# Altium PCB ZhuKong.PcbDoc (part 3 of 6) (continued)
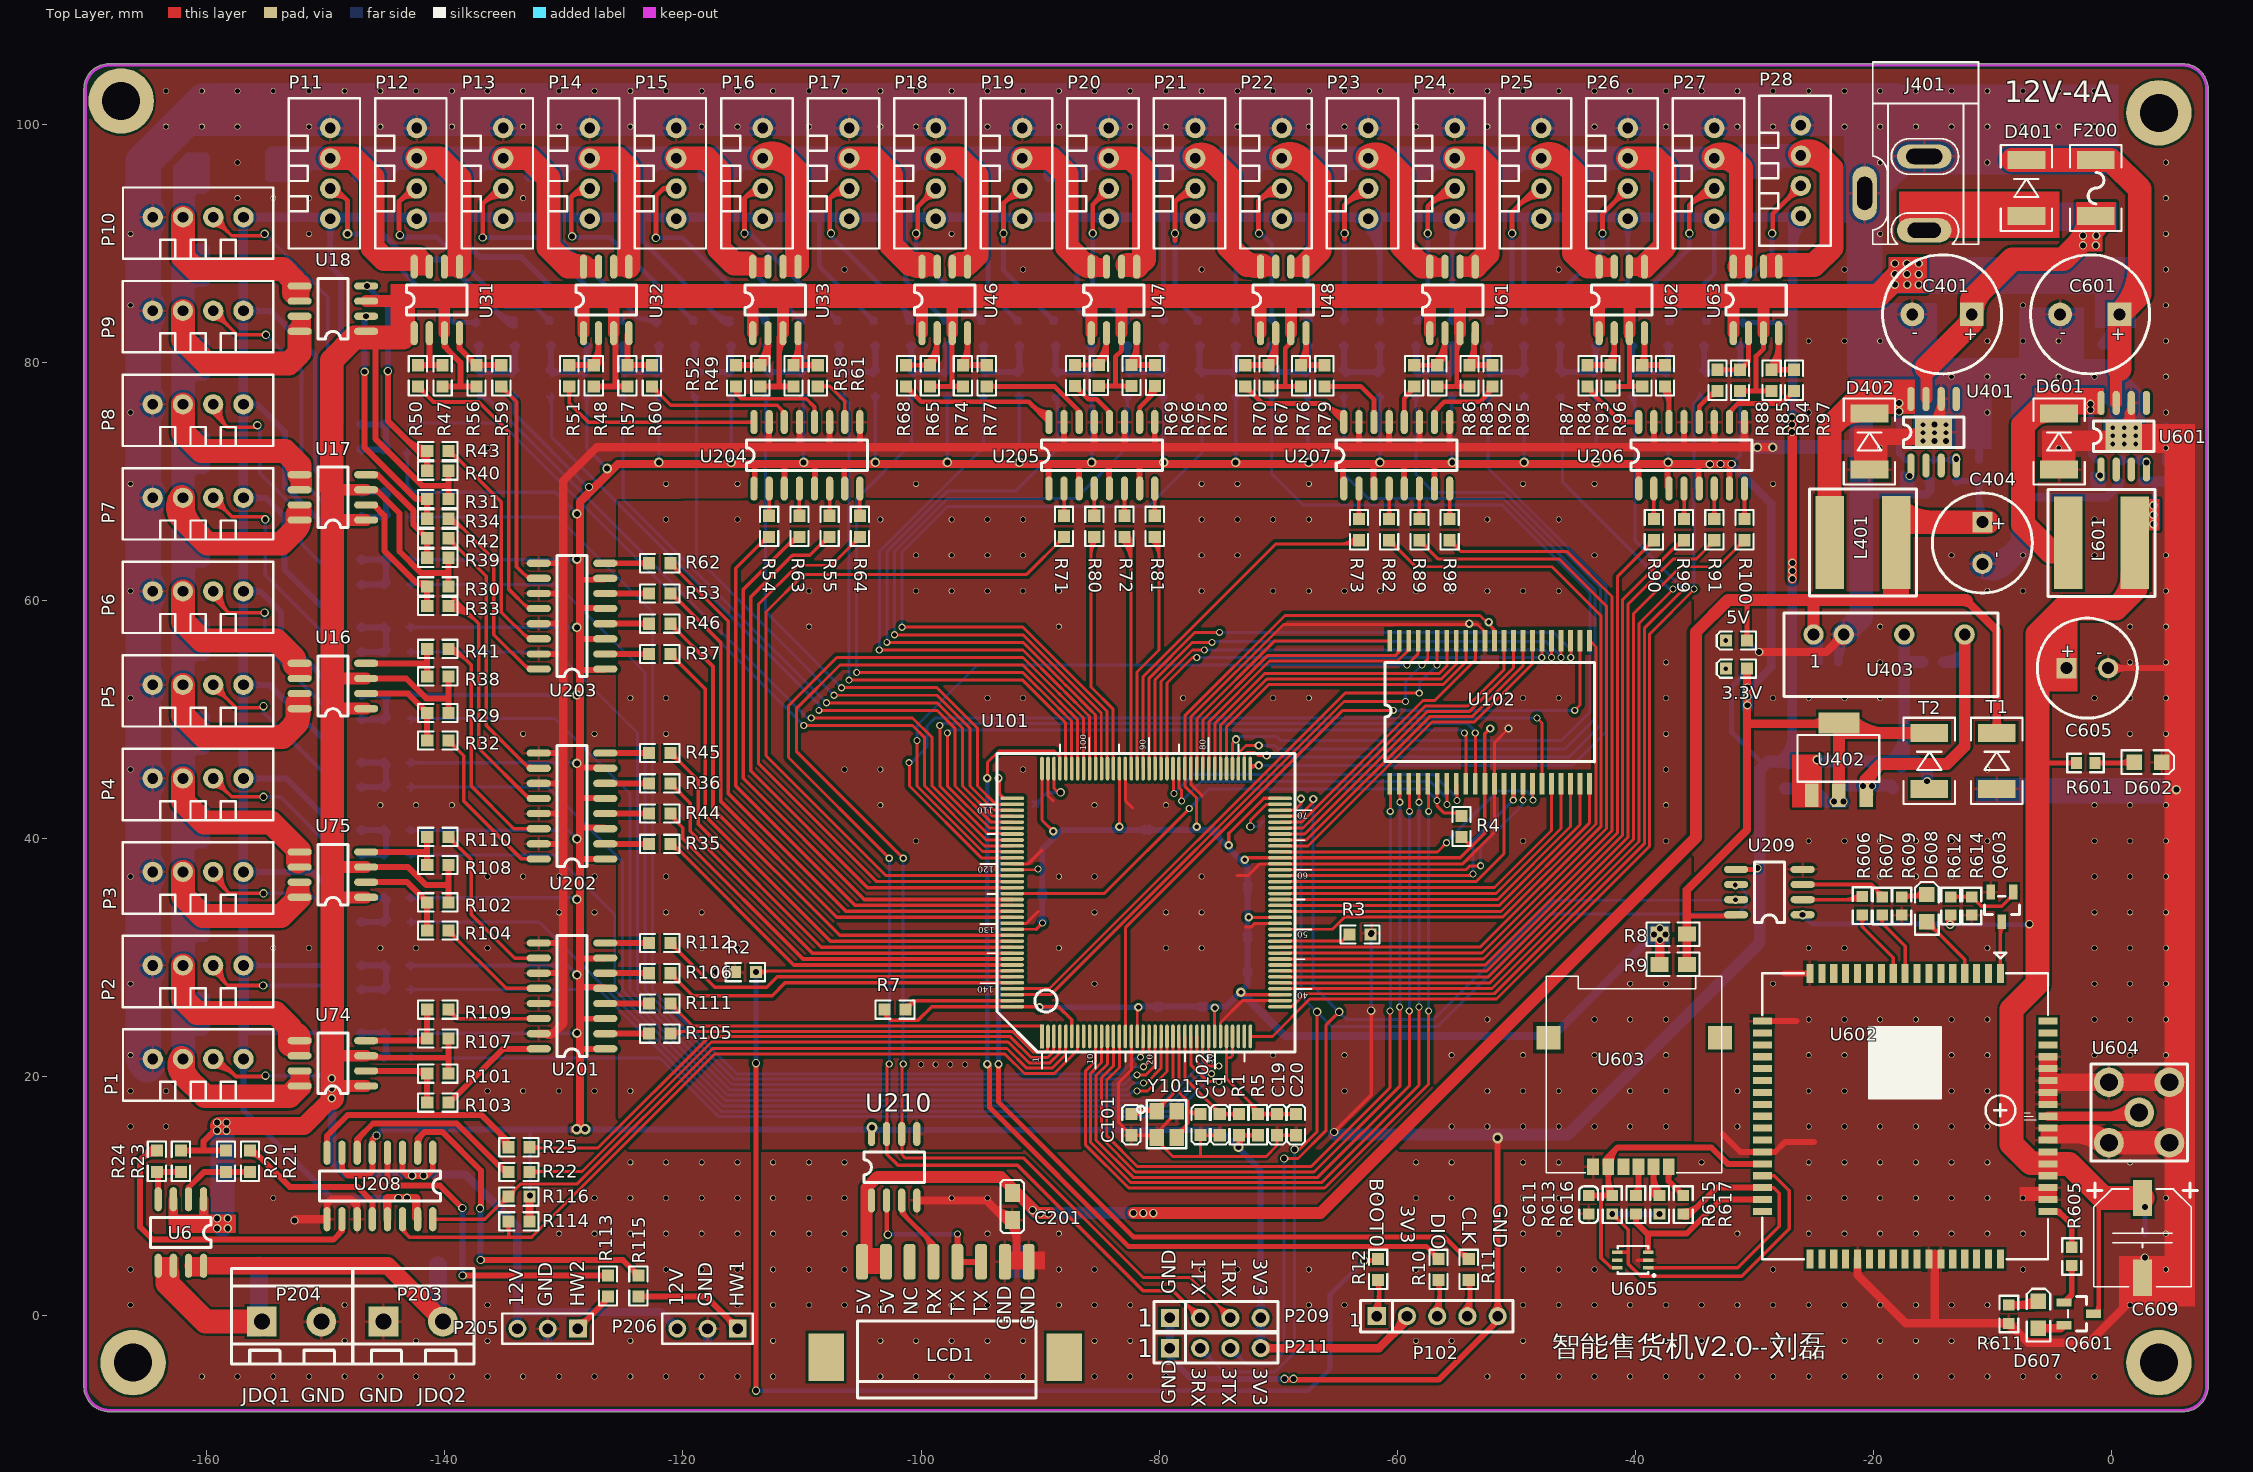
[diagram p0: Top Layer view]
## Nets (pads, with @x,y where several pads share a name; then routed paths per layer and width w, separated by ;. In a path a pad name is that pad's centre, name@x,y a point inside that pad or via, vN(x,y) a via of type N, cw(c..) or ccw(c..) an arc to the next point about the centre after c; other vN are vias at no path point) (continued)
  Bottom Layer w1: v2@-65.291,15.164 -45.669,15.164 -29.54,31.293 -29.54,37.338 -29.54,45.796 -28.829,46.507 C410.2@-27.432,46.507 C407.2@-20.726,46.507 C409.2@-18.237,46.507 ; -25.677,46.507 cw(c-25.677,45.621) C411.2@-25.05,46.248 ; C411.2@-25.039,46.248 cw(c-24.412,45.621) v5@-24.412,46.507 ; -23.518,46.507 cw(c-23.518,45.621) C408.2@-22.891,46.248 ; C408.2@-22.88,46.248 cw(c-22.253,45.621) -22.253,46.507 ; C409.2@-18.333,46.73 ccw(c-20.587,48.984) -17.399,48.984 ; C409.2@-17.626,46.023 ccw(c-18.173,46.57) -17.399,46.57 ; U403.3@-17.399,57.175 -17.399,54.864 ; C413.1@-15.85,54.864 -17.399,54.864 ; -15.469,44.094 -15.469,45.593 -16.383,46.507 C409.2@-18.237,46.507 ; C409.2@-18.237,46.507 -17.45,46.507 -17.399,46.558 -17.399,54.864
  other v1: -55.422,15.834 -52.422,15.834 -49.422,15.834 -46.422,15.834 -43.422,15.834 -40.422,15.834 -37.422,15.834 -124.422,18.834 -70.422,18.834 -64.422,18.834 -52.422,18.834 -49.422,18.834 -46.422,18.834 -43.422,18.834 -40.422,18.834 -37.422,18.834 -70.422,21.834 -64.422,21.834 -55.422,21.834 -49.422,21.834 -43.422,21.834 -40.422,21.834 -37.422,21.834 -52.422,24.834 -43.422,24.834 -40.422,24.834 -37.422,24.834 -85.422,27.834 -40.422,27.834 -37.422,27.834 -118.422,30.834 -115.422,30.834 -88.422,30.834 -79.422,30.834 -76.422,30.834 -121.422,33.834 -118.422,33.834 -85.422,33.834 -79.422,33.834 -76.422,33.834 -121.422,36.834 -88.422,36.834 -85.422,36.834 -76.422,36.834 -100.422,39.833 -49.422,39.833 -37.422,39.833 -103.422,42.833 -85.422,42.833 -79.422,42.833 -37.422,42.833 -106.422,45.833 -103.422,45.833 -91.422,45.833 -37.422,45.833 -121.422,48.833 -37.422,48.833 -124.422,51.833 -121.422,51.833 -94.422,51.833 -91.422,51.833 -70.422,51.833 -67.422,51.833 -49.422,51.833 -46.422,51.833 -37.422,51.833 -37.422,54.833 -109.422,57.833 -88.422,57.833 -109.422,60.833 -100.422,60.833 -97.422,60.833 -94.422,60.833 -91.422,60.833 -88.422,60.833 -76.422,60.833 -70.422,60.833 -67.422,60.833 -64.422,60.833 -61.422,60.833 -58.422,60.833 -55.422,60.833 -52.422,60.833 -49.422,60.833 -46.422,60.833 -100.422,63.833 -97.422,63.833 -94.422,63.833 -91.422,63.833 -76.422,63.833 -73.422,63.833 -43.422,63.833 -121.422,66.833 -115.422,66.833 -103.422,66.833 -97.422,66.833 -94.422,66.833 -91.422,66.833 -76.422,66.833 -73.422,66.833 -70.422,66.833 -67.422,66.833 -52.422,66.833 -46.422,66.833
  other v2: -69.469,-5.359 -143.916,9.83 -143.18,9.855 -62.154,32.106 -15.469,44.844 -26.802,61.849 -26.802,62.522 -26.802,63.195 -26.822,74.193 -26.822,74.803 -26.822,75.413
  other v4: -53.95,58.09
  other v5: -24.714,46.634
  other v6: -100,21.057 -98.772,21.057 -97.544,21.057 -96.317,21.057 -77.978,51.833
MICN1: U602.19
MICP1: U602.20
Net3.3V_1: 3.3V.1 R18.2
  other v3: -32.385,54.305
Net5V_1: 5V.1 R16.2
  other v3: -32.385,56.667
NetC17_2: C17.2 U101.71 | length 4.8
  Top Layer w0.25: v2(-72.339,41.046) -72.339,41.554 -70.983,42.911 U101.71@-69.834,42.911
  Bottom Layer w0.25: v2(-72.339,41.046) -71.679,41.046 C17.2@-71.247,41.478
NetC18_2: C18.2 U101.106 | length 6.8
  Top Layer w0.25: U101.106@-88.834,45.911 -88.834,44.257 -88.468,43.891 v2@-88.265,43.891
  Bottom Layer w0.25: C18.2@-90.576,42.723 -89.408,43.891 v2@-88.062,43.891 ; C18.2@-90.576,43.106 ccw(c-90.576,44.03) -89.923,43.377 ccw(c-89.269,42.723) C18.2@-90.193,42.723
  other v2: -88.265,43.917
NetC401_1: C401.1 C402.1 F200.2 T201.1 T202.1 U401.7 | length 37.4
  Top Layer w1: U401.7@-15.545,76.987 -15.545,79.604
  Top Layer w2: -15.545,79.604 -11.724,83.424 C401.1@-11.724,84.074 ; -12.183,82.965 ccw(c-13.292,84.074) C401.1@-11.724,84.074 ; -10.854,86.174 ccw(c-8.755,84.074) C401.1@-11.724,84.074 ; -2.941,89.82 ccw(c-5.462,92.342) F200.2@-1.896,92.342 ; F200.2@-1.309,92.342 -1.309,91.452 -4.064,88.697 -8.331,88.697 -11.724,85.304 C401.1@-11.724,84.074
  Bottom Layer w1: C402.1@-13.233,81.559 -11.724,83.069 ; C402.1@-13.233,81.559 ccw(c-15.672,83.998) C401.1@-12.224,84.064 ; C401.1@-12.026,83.675 cw(c-12.484,83.069) -11.724,83.069 ; C401.1@-11.724,84.074 -11.724,83.069 ; C401.1@-11.422,83.675 ccw(c-10.964,83.069) -11.724,83.069
  other v2: -2.388,89.865 -1.309,89.865 -2.388,90.678 -1.27,90.678
NetC403_1: C403.1 U401.1
  other v2: -16.942,70.485
NetC403_2: C403.2 D402.2 L401.1 U401.8 | length 22.4
  Top Layer w1: D402.2@-20.32,75.73 -20.32,76.886
  Top Layer w2: L401.1@-23.673,64.876 -23.673,74.574 -21.361,76.886 -20.32,76.886 ; -23.081,75.167 cw(c-21.145,73.231) D402.2@-21.145,75.968
  Bottom Layer w0.5: v2(-17.831,76.606) -17.831,72.39 C403.2@-17.247,71.806
  other v2: -17.831,75.921
NetC501_1: C501.1 R501.1 R502.2 R503.1 | length 12.4
  Bottom Layer w0.5: R503.1@-147.201,21.681 R502.2@-144.94,21.681 R501.1@-144.94,23.688 C501.1@-147.201,23.688 ; R503.1@-147.018,21.499 cw(c-146.578,21.059) -146.578,21.681 cw(c-146.578,22.304) R503.1@-147.018,21.864 ; C501.1@-147.018,23.506 cw(c-146.578,23.065) -146.578,23.688 cw(c-146.578,24.311) C501.1@-147.018,23.87 ; R502.2@-145.122,21.499 ccw(c-145.563,21.059) -145.563,21.681 ccw(c-145.563,22.304) -145.122,21.864 ccw(c-145.563,22.304) -144.94,22.304 ccw(c-144.317,22.304) R502.2@-144.758,21.864 ; R501.1@-145.122,23.87 cw(c-145.563,24.311) -145.563,23.688 cw(c-145.563,23.065) -145.122,23.506 cw(c-145.563,23.065) -144.94,23.065 cw(c-144.317,23.065) R501.1@-144.758,23.506
NetC502_1: C502.1 R504.1 R505.2 R506.1 | length 12.4
  Bottom Layer w0.5: R506.1@-147.201,27.351 R505.2@-144.94,27.351 R504.1@-144.94,29.369 C502.1@-147.201,29.369 ; R506.1@-147.018,27.169 cw(c-146.578,26.728) -146.578,27.351 cw(c-146.578,27.974) R506.1@-147.018,27.534 ; C502.1@-147.018,29.187 cw(c-146.578,28.746) -146.578,29.369 cw(c-146.578,29.992) C502.1@-147.018,29.552 ; R505.2@-145.122,27.169 ccw(c-145.563,26.728) -145.563,27.351 ccw(c-145.563,27.974) -145.122,27.534 ccw(c-145.563,27.974) -144.94,27.974 ccw(c-144.317,27.974) R505.2@-144.758,27.534 ; R504.1@-145.122,29.552 cw(c-145.563,29.992) -145.563,29.369 cw(c-145.563,28.746) -145.122,29.187 cw(c-145.563,28.746) -144.94,28.746 cw(c-144.317,28.746) R504.1@-144.758,29.187
NetC503_1: C503.1 R507.1 R508.2 R509.1 | length 12.4
  Bottom Layer w0.5: R509.1@-147.201,33.021 R508.2@-144.94,33.021 R507.1@-144.94,35.05 C503.1@-147.201,35.05 ; R509.1@-147.018,32.839 cw(c-146.578,32.398) -146.578,33.021 cw(c-146.578,33.644) R509.1@-147.018,33.204 ; C503.1@-147.018,34.868 cw(c-146.578,34.427) -146.578,35.05 cw(c-146.578,35.673) C503.1@-147.018,35.233 ; R508.2@-145.122,32.839 ccw(c-145.563,32.398) -145.563,33.021 ccw(c-145.563,33.644) -145.122,33.204 ccw(c-145.563,33.644) -144.94,33.644 ccw(c-144.317,33.644) R508.2@-144.758,33.204 ; R507.1@-145.122,35.233 cw(c-145.563,35.673) -145.563,35.05 cw(c-145.563,34.427) -145.122,34.868 cw(c-145.563,34.427) -144.94,34.427 cw(c-144.317,34.427) R507.1@-144.758,34.868
NetC504_1: C504.1 R510.1 R511.2 R512.1 | length 12.4
  Bottom Layer w0.5: R512.1@-147.201,38.691 R511.2@-144.94,38.691 R510.1@-144.94,40.731 C504.1@-147.201,40.731 ; R512.1@-147.018,38.508 cw(c-146.578,38.068) -146.578,38.691 cw(c-146.578,39.314) R512.1@-147.018,38.873 ; C504.1@-147.018,40.549 cw(c-146.578,40.109) -146.578,40.731 cw(c-146.578,41.354) C504.1@-147.018,40.914 ; R511.2@-145.122,38.508 ccw(c-145.563,38.068) -145.563,38.691 ccw(c-145.563,39.314) -145.122,38.873 ccw(c-145.563,39.314) -144.94,39.314 ccw(c-144.317,39.314) R511.2@-144.758,38.873 ; R510.1@-145.122,40.914 cw(c-145.563,41.354) -145.563,40.731 cw(c-145.563,40.109) -145.122,40.549 cw(c-145.563,40.109) -144.94,40.109 cw(c-144.317,40.109) R510.1@-144.758,40.549
NetC505_1: C505.1 R513.1 R514.2 R515.1 | length 12.4
  Bottom Layer w0.5: R515.1@-147.201,44.361 R514.2@-144.94,44.361 R513.1@-144.94,46.413 C505.1@-147.201,46.413 ; R515.1@-147.018,44.178 cw(c-146.578,43.738) -146.578,44.361 cw(c-146.578,44.984) R515.1@-147.018,44.543 ; C505.1@-147.018,46.23 cw(c-146.578,45.79) -146.578,46.413 cw(c-146.578,47.035) C505.1@-147.018,46.595 ; R514.2@-145.122,44.178 ccw(c-145.563,43.738) -145.563,44.361 ccw(c-145.563,44.984) -145.122,44.543 ccw(c-145.563,44.984) -144.94,44.984 ccw(c-144.317,44.984) R514.2@-144.758,44.543 ; R513.1@-145.122,46.595 cw(c-145.563,47.035) -145.563,46.413 cw(c-145.563,45.79) -145.122,46.23 cw(c-145.563,45.79) -144.94,45.79 cw(c-144.317,45.79) R513.1@-144.758,46.23
NetC506_1: C506.1 R516.1 R517.2 R518.1 | length 12.5
  Bottom Layer w0.5: R518.1@-147.201,50.031 R517.2@-144.94,50.031 R516.1@-144.94,52.094 C506.1@-147.201,52.094 ; R518.1@-147.018,49.848 cw(c-146.578,49.408) -146.578,50.031 cw(c-146.578,50.653) R518.1@-147.018,50.213 ; C506.1@-147.018,51.911 cw(c-146.578,51.471) -146.578,52.094 cw(c-146.578,52.717) C506.1@-147.018,52.276 ; R517.2@-145.122,49.848 ccw(c-145.563,49.408) -145.563,50.031 ccw(c-145.563,50.653) -145.122,50.213 ccw(c-145.563,50.653) -144.94,50.653 ccw(c-144.317,50.654) R517.2@-144.758,50.213 ; R516.1@-145.122,52.276 cw(c-145.563,52.717) -145.563,52.094 cw(c-145.563,51.471) -145.122,51.911 cw(c-145.563,51.471) -144.94,51.471 cw(c-144.317,51.471) R516.1@-144.758,51.911
NetC507_1: C507.1 R519.1 R520.2 R521.1 | length 12.5
  Bottom Layer w0.5: R521.1@-147.201,55.7 R520.2@-144.94,55.7 R519.1@-144.94,57.775 C507.1@-147.201,57.775 ; R521.1@-147.018,55.518 cw(c-146.578,55.078) -146.578,55.7 cw(c-146.578,56.323) R521.1@-147.018,55.883 ; C507.1@-147.018,57.592 cw(c-146.578,57.152) -146.578,57.775 cw(c-146.578,58.398) C507.1@-147.018,57.957 ; R520.2@-145.122,55.518 ccw(c-145.563,55.078) -145.563,55.7 ccw(c-145.563,56.323) -145.122,55.883 ccw(c-145.563,56.323) -144.94,56.323 ccw(c-144.317,56.323) R520.2@-144.758,55.883 ; R519.1@-145.122,57.957 cw(c-145.563,58.398) -145.563,57.775 cw(c-145.563,57.152) -145.122,57.592 cw(c-145.563,57.152) -144.94,57.152 cw(c-144.317,57.152) R519.1@-144.758,57.592
NetC508_1: C508.1 R522.1 R523.2 R524.1 | length 12.5
  Bottom Layer w0.5: R524.1@-147.201,61.37 R523.2@-144.94,61.37 R522.1@-144.94,63.456 C508.1@-147.201,63.456 ; R524.1@-147.018,61.188 cw(c-146.578,60.747) -146.578,61.37 cw(c-146.578,61.993) R524.1@-147.018,61.553 ; C508.1@-147.018,63.273 cw(c-146.578,62.833) -146.578,63.456 cw(c-146.578,64.079) C508.1@-147.018,63.638 ; R523.2@-145.122,61.188 ccw(c-145.563,60.747) -145.563,61.37 ccw(c-145.563,61.993) -145.122,61.553 ccw(c-145.563,61.993) -144.94,61.993 ccw(c-144.317,61.993) R523.2@-144.758,61.553 ; R522.1@-145.122,63.638 cw(c-145.563,64.079) -145.563,63.456 cw(c-145.563,62.833) -145.122,63.273 cw(c-145.563,62.833) -144.94,62.833 cw(c-144.317,62.833) R522.1@-144.758,63.273
NetC509_1: C509.1 R525.1 R526.2 R527.1 | length 12.5
  Bottom Layer w0.5: R527.1@-147.201,67.04 R526.2@-144.94,67.04 R525.1@-144.94,69.137 C509.1@-147.201,69.137 ; R527.1@-147.018,66.858 cw(c-146.578,66.417) -146.578,67.04 cw(c-146.578,67.663) R527.1@-147.018,67.223 ; C509.1@-147.018,68.955 cw(c-146.578,68.514) -146.578,69.137 cw(c-146.578,69.76) C509.1@-147.018,69.319 ; R526.2@-145.122,66.858 ccw(c-145.563,66.417) -145.563,67.04 ccw(c-145.563,67.663) -145.122,67.223 ccw(c-145.563,67.663) -144.94,67.663 ccw(c-144.317,67.663) R526.2@-144.758,67.223 ; R525.1@-145.122,69.319 cw(c-145.563,69.76) -145.563,69.137 cw(c-145.563,68.514) -145.122,68.955 cw(c-145.563,68.514) -144.94,68.514 cw(c-144.317,68.514) R525.1@-144.758,68.955
NetC510_1: C510.1 R528.1 R529.2 R530.1 | length 12.5
  Bottom Layer w0.5: C510.1@-147.201,74.818 R529.2@-144.94,74.818 R528.1@-144.94,72.71 R530.1@-147.201,72.71 ; R530.1@-147.018,72.528 cw(c-146.578,72.087) -146.578,72.71 cw(c-146.578,73.333) R530.1@-147.018,72.892 ; C510.1@-147.018,74.636 cw(c-146.578,74.195) -146.578,74.818 cw(c-146.578,75.441) C510.1@-147.018,75.001 ; R528.1@-145.122,72.528 ccw(c-145.563,72.087) -145.563,72.71 ccw(c-145.563,73.333) -145.122,72.892 ccw(c-145.563,73.333) -144.94,73.333 ccw(c-144.317,73.333) R528.1@-144.758,72.892 ; R529.2@-145.122,75.001 cw(c-145.563,75.441) -145.563,74.818 cw(c-145.563,74.195) -145.122,74.636 cw(c-145.563,74.195) -144.94,74.195 cw(c-144.317,74.195) R529.2@-144.758,74.636
NetC511_1: C511.1 R531.1 R532.2 R533.1 | length 13.6
  Bottom Layer w0.5: R532.2@-137.375,79.395 ccw(c-137.922,79.941) -137.149,79.941 ; R533.1@-137.332,81.418 cw(c-137.772,80.977) -137.149,80.977 cw(c-136.526,80.977) R533.1@-136.967,81.418 ; -137.149,79.73 ccw(c-136.676,79.73) -137.011,79.395 ccw(c-136.57,79.835) -136.57,79.212 ccw(c-136.57,78.59) R532.2@-137.011,79.03 ; R533.1@-137.149,81.6 -137.149,79.256 -137.105,79.212 R531.1@-134.16,79.212 -134.121,79.251 C511.1@-134.121,81.6 ; R531.1@-134.342,79.03 ccw(c-134.783,78.59) -134.783,79.212 ccw(c-134.783,79.835) -134.342,79.395 ccw(c-134.875,79.928) -134.121,79.928 ; C511.1@-134.304,81.418 cw(c-134.744,80.977) -134.121,80.977 cw(c-133.498,80.977) C511.1@-133.939,81.418 ; -134.121,79.743 ccw(c-133.629,79.743) R531.1@-133.977,79.395
NetC512_1: C512.1 R534.1 R535.2 R536.1 | length 13.2
  Bottom Layer w0.5: R535.2@-131.309,79.395 ccw(c-131.828,79.915) -131.093,79.915 ; R536.1@-131.276,81.418 cw(c-131.716,80.977) -131.093,80.977 cw(c-130.471,80.977) R536.1@-130.911,81.418 ; -131.093,79.756 ccw(c-130.583,79.756) -130.944,79.395 ccw(c-130.583,79.756) -130.583,79.245 ; R536.1@-131.093,81.6 -131.093,79.245 -128.126,79.245 C512.1@-128.126,81.54 ; R535.2@-130.944,79.03 cw(c-130.424,78.51) -130.424,79.245 ; -128.795,79.245 cw(c-128.795,78.51) R534.1@-128.275,79.03 ; -128.637,79.245 ccw(c-128.637,79.756) -128.275,79.395 ccw(c-128.637,79.756) -128.126,79.756 ; -128.126,79.915 ccw(c-127.391,79.915) R534.1@-127.911,79.395 ; -128.126,80.832 cw(c-127.297,80.832) C512.1@-127.883,81.418
NetC513_1: C513.1 R537.1 R538.2 R539.1 | length 13.7
  Bottom Layer w0.5: R538.2@-125.242,79.395 ccw(c-125.682,79.835) -125.06,79.835 ccw(c-124.437,79.835) -124.877,79.395 ccw(c-124.437,79.835) -124.437,79.212 ccw(c-124.437,78.59) R538.2@-124.877,79.03 ; R539.1@-125.22,81.418 cw(c-125.608,81.03) -125.06,81.03 ; -125.06,80.924 cw(c-124.362,80.924) R539.1@-124.855,81.418 ; R539.1@-125.06,81.578 R538.2@-125.06,79.212 R537.1@-122.026,79.212 -122.01,79.229 C513.1@-122.01,81.6 ; R537.1@-122.209,79.03 ccw(c-122.649,78.59) -122.649,79.212 ccw(c-122.649,79.835) -122.209,79.395 ccw(c-122.689,79.875) -122.01,79.875 ; C513.1@-122.192,81.418 cw(c-122.633,80.977) -122.01,80.977 cw(c-121.387,80.977) C513.1@-121.827,81.418 ; -122.01,79.796 ccw(c-121.443,79.796) R537.1@-121.844,79.395
NetC514_1: C514.1 R540.1 R541.2 R542.1 | length 13.6
  Bottom Layer w0.5: R541.2@-119.175,79.395 ccw(c-119.642,79.862) -118.982,79.862 ; R542.1@-119.164,81.418 cw(c-119.605,80.977) -118.982,80.977 cw(c-118.359,80.977) R542.1@-118.8,81.418 ; -118.982,79.809 ccw(c-118.396,79.809) -118.81,79.395 ccw(c-118.396,79.809) -118.396,79.223 ; R542.1@-118.982,81.6 -118.982,79.223 -115.971,79.223 -115.954,79.24 C514.1@-115.954,81.6 ; R541.2@-118.81,79.03 cw(c-118.344,78.563) -118.344,79.223 ; -116.609,79.223 cw(c-116.609,78.563) R540.1@-116.142,79.03 ; -116.556,79.223 ccw(c-116.556,79.809) -116.142,79.395 ccw(c-116.596,79.848) -115.954,79.848 ; C514.1@-116.137,81.418 cw(c-116.577,80.977) -115.954,80.977 cw(c-115.331,80.977) C514.1@-115.772,81.418 ; -115.954,79.822 ccw(c-115.35,79.822) R540.1@-115.777,79.395
NetC515_1: C515.1 R543.1 R544.2 R545.1 | length 13.7
  Bottom Layer w0.5: R544.2@-113.109,79.395 ccw(c-113.549,79.835) -112.926,79.835 ccw(c-112.303,79.835) -112.744,79.395 ccw(c-112.303,79.835) -112.303,79.212 ccw(c-112.303,78.59) R544.2@-112.744,79.03 ; R545.1@-113.109,81.418 cw(c-113.549,80.977) -112.926,80.977 cw(c-112.303,80.977) R545.1@-112.744,81.418 ; R545.1@-112.926,81.6 R544.2@-112.926,79.212 R543.1@-109.898,79.212 C515.1@-109.898,81.6 ; R543.1@-110.081,79.03 ccw(c-110.521,78.59) -110.521,79.212 ccw(c-110.521,79.835) -110.081,79.395 ccw(c-110.521,79.835) -109.898,79.835 ccw(c-109.275,79.835) R543.1@-109.716,79.395 ; C515.1@-110.081,81.418 cw(c-110.521,80.977) -109.898,80.977 cw(c-109.275,80.977) C515.1@-109.716,81.418
NetC516_1: C516.1 R546.1 R547.2 R548.1 | length 13.7
  Bottom Layer w0.5: R547.2@-107.053,79.395 ccw(c-107.493,79.835) -106.87,79.835 ccw(c-106.248,79.835) -106.688,79.395 ccw(c-106.248,79.835) -106.248,79.212 ccw(c-106.248,78.59) R547.2@-106.688,79.03 ; R548.1@-107.053,81.418 cw(c-107.493,80.977) -106.87,80.977 cw(c-106.248,80.977) R548.1@-106.688,81.418 ; R548.1@-106.87,81.6 R547.2@-106.87,79.212 R546.1@-103.843,79.212 C516.1@-103.843,81.6 ; R546.1@-104.025,79.03 ccw(c-104.465,78.59) -104.465,79.212 ccw(c-104.465,79.835) -104.025,79.395 ccw(c-104.465,79.835) -103.843,79.835 ccw(c-103.22,79.835) R546.1@-103.66,79.395 ; C516.1@-104.025,81.418 cw(c-104.465,80.977) -103.843,80.977 cw(c-103.22,80.977) C516.1@-103.66,81.418
NetC517_1: C517.1 R549.1 R550.2 R551.1 | length 13.7
  Bottom Layer w0.5: R550.2@-100.997,79.395 ccw(c-101.438,79.835) -100.815,79.835 ccw(c-100.192,79.835) -100.632,79.395 ccw(c-100.192,79.835) -100.192,79.212 ccw(c-100.192,78.59) R550.2@-100.632,79.03 ; R551.1@-100.997,81.418 cw(c-101.438,80.977) -100.815,80.977 cw(c-100.192,80.977) R551.1@-100.632,81.418 ; R551.1@-100.815,81.6 R550.2@-100.815,79.212 R549.1@-97.787,79.212 C517.1@-97.787,81.6 ; R549.1@-97.969,79.03 ccw(c-98.41,78.59) -98.41,79.212 ccw(c-98.41,79.835) -97.969,79.395 ccw(c-98.41,79.835) -97.787,79.835 ccw(c-97.164,79.835) R549.1@-97.604,79.395 ; C517.1@-97.969,81.418 cw(c-98.41,80.977) -97.787,80.977 cw(c-97.164,80.977) C517.1@-97.604,81.418
NetC518_1: C518.1 R552.1 R553.2 R554.1 | length 13.7
  Bottom Layer w0.5: R553.2@-94.941,79.395 ccw(c-95.382,79.835) -94.759,79.835 ccw(c-94.136,79.835) -94.577,79.395 ccw(c-94.136,79.835) -94.136,79.212 ccw(c-94.136,78.59) R553.2@-94.577,79.03 ; R554.1@-94.941,81.418 cw(c-95.382,80.977) -94.759,80.977 cw(c-94.136,80.977) R554.1@-94.577,81.418 ; R554.1@-94.759,81.6 R553.2@-94.759,79.212 R552.1@-91.731,79.212 C518.1@-91.731,81.6 ; R552.1@-91.913,79.03 ccw(c-92.354,78.59) -92.354,79.212 ccw(c-92.354,79.835) -91.913,79.395 ccw(c-92.354,79.835) -91.731,79.835 ccw(c-91.108,79.835) R552.1@-91.549,79.395 ; C518.1@-91.914,81.418 cw(c-92.354,80.977) -91.731,80.977 cw(c-91.108,80.977) C518.1@-91.549,81.418
NetC519_1: C519.1 R555.1 R556.2 R557.1 | length 13.7
  Bottom Layer w0.5: R556.2@-88.886,79.395 ccw(c-89.326,79.835) -88.703,79.835 ccw(c-88.08,79.835) -88.521,79.395 ccw(c-88.08,79.835) -88.08,79.212 ccw(c-88.08,78.59) R556.2@-88.521,79.03 ; R557.1@-88.886,81.418 cw(c-89.326,80.977) -88.703,80.977 cw(c-88.08,80.977) R557.1@-88.521,81.418 ; R557.1@-88.703,81.6 R556.2@-88.703,79.212 R555.1@-85.675,79.212 C519.1@-85.675,81.6 ; R555.1@-85.858,79.03 ccw(c-86.298,78.59) -86.298,79.212 ccw(c-86.298,79.835) -85.858,79.395 ccw(c-86.298,79.835) -85.675,79.835 ccw(c-85.052,79.835) R555.1@-85.493,79.395 ; C519.1@-85.858,81.418 cw(c-86.298,80.977) -85.675,80.977 cw(c-85.052,80.977) C519.1@-85.493,81.418
NetC520_1: C520.1 R558.1 R559.2 R560.1 | length 13.7
  Bottom Layer w0.5: R559.2@-82.83,79.395 ccw(c-83.27,79.835) -82.647,79.835 ccw(c-82.025,79.835) -82.465,79.395 ccw(c-82.025,79.835) -82.025,79.212 ccw(c-82.025,78.59) R559.2@-82.465,79.03 ; R560.1@-82.83,81.418 cw(c-83.27,80.977) -82.647,80.977 cw(c-82.025,80.977) R560.1@-82.465,81.418 ; R560.1@-82.647,81.6 R559.2@-82.647,79.212 R558.1@-79.62,79.212 C520.1@-79.62,81.6 ; R558.1@-79.802,79.03 ccw(c-80.242,78.59) -80.242,79.212 ccw(c-80.242,79.835) -79.802,79.395 ccw(c-80.242,79.835) -79.62,79.835 ccw(c-78.997,79.835) R558.1@-79.437,79.395 ; C520.1@-79.802,81.418 cw(c-80.242,80.977) -79.62,80.977 cw(c-78.997,80.977) C520.1@-79.437,81.418
NetC521_1: C521.1 R561.1 R562.2 R563.1 | length 13.7
  Bottom Layer w0.5: R562.2@-76.774,79.395 ccw(c-77.215,79.835) -76.592,79.835 ccw(c-75.969,79.835) -76.409,79.395 ccw(c-75.969,79.835) -75.969,79.212 ccw(c-75.969,78.59) R562.2@-76.409,79.03 ; R563.1@-76.774,81.418 cw(c-77.215,80.977) -76.592,80.977 cw(c-75.969,80.977) R563.1@-76.409,81.418 ; R563.1@-76.592,81.6 R562.2@-76.592,79.212 R561.1@-73.564,79.212 C521.1@-73.564,81.6 ; R561.1@-73.746,79.03 ccw(c-74.187,78.59) -74.187,79.212 ccw(c-74.187,79.835) -73.746,79.395 ccw(c-74.187,79.835) -73.564,79.835 ccw(c-72.941,79.835) R561.1@-73.381,79.395 ; C521.1@-73.746,81.418 cw(c-74.187,80.977) -73.564,80.977 cw(c-72.941,80.977) C521.1@-73.381,81.418
NetC522_1: C522.1 R564.1 R565.2 R566.1 | length 13.7
  Bottom Layer w0.5: R565.2@-70.718,79.395 ccw(c-71.159,79.835) -70.536,79.835 ccw(c-69.913,79.835) -70.354,79.395 ccw(c-69.913,79.835) -69.913,79.212 ccw(c-69.913,78.59) R565.2@-70.354,79.03 ; R566.1@-70.718,81.418 cw(c-71.159,80.977) -70.536,80.977 cw(c-69.913,80.977) R566.1@-70.354,81.418 ; R566.1@-70.536,81.6 R565.2@-70.536,79.212 R564.1@-67.508,79.212 C522.1@-67.508,81.6 ; R564.1@-67.69,79.03 ccw(c-68.131,78.59) -68.131,79.212 ccw(c-68.131,79.835) -67.69,79.395 ccw(c-68.131,79.835) -67.508,79.835 ccw(c-66.885,79.835) R564.1@-67.326,79.395 ; C522.1@-67.691,81.418 cw(c-68.131,80.977) -67.508,80.977 cw(c-66.885,80.977) C522.1@-67.326,81.418
NetC523_1: C523.1 R567.1 R568.2 R569.1 | length 13.7
  Bottom Layer w0.5: R568.2@-64.663,79.395 ccw(c-65.103,79.835) -64.48,79.835 ccw(c-63.857,79.835) -64.298,79.395 ccw(c-63.857,79.835) -63.857,79.212 ccw(c-63.857,78.59) R568.2@-64.298,79.03 ; R569.1@-64.663,81.418 cw(c-65.103,80.977) -64.48,80.977 cw(c-63.857,80.977) R569.1@-64.298,81.418 ; R569.1@-64.48,81.6 R568.2@-64.48,79.212 R567.1@-61.452,79.212 C523.1@-61.452,81.6 ; R567.1@-61.635,79.03 ccw(c-62.075,78.59) -62.075,79.212 ccw(c-62.075,79.835) -61.635,79.395 ccw(c-62.075,79.835) -61.452,79.835 ccw(c-60.829,79.835) R567.1@-61.27,79.395 ; C523.1@-61.635,81.418 cw(c-62.075,80.977) -61.452,80.977 cw(c-60.829,80.977) C523.1@-61.27,81.418
NetC524_1: C524.1 R570.1 R571.2 R572.1 | length 13.7
  Bottom Layer w0.5: R571.2@-58.607,79.395 ccw(c-59.047,79.835) -58.424,79.835 ccw(c-57.802,79.835) -58.242,79.395 ccw(c-57.802,79.835) -57.802,79.212 ccw(c-57.802,78.59) R571.2@-58.242,79.03 ; R572.1@-58.607,81.418 cw(c-59.047,80.977) -58.424,80.977 cw(c-57.802,80.977) R572.1@-58.242,81.418 ; R572.1@-58.424,81.6 R571.2@-58.424,79.212 R570.1@-55.397,79.212 C524.1@-55.397,81.6 ; R570.1@-55.579,79.03 ccw(c-56.019,78.59) -56.019,79.212 ccw(c-56.019,79.835) -55.579,79.395 ccw(c-56.019,79.835) -55.397,79.835 ccw(c-54.774,79.835) R570.1@-55.214,79.395 ; C524.1@-55.579,81.418 cw(c-56.019,80.977) -55.397,80.977 cw(c-54.774,80.977) C524.1@-55.214,81.418
NetC525_1: C525.1 R573.1 R574.2 R575.1 | length 13.7
  Bottom Layer w0.5: R574.2@-52.551,79.395 ccw(c-52.992,79.835) -52.369,79.835 ccw(c-51.746,79.835) -52.186,79.395 ccw(c-51.746,79.835) -51.746,79.212 ccw(c-51.746,78.59) R574.2@-52.186,79.03 ; R575.1@-52.551,81.418 cw(c-52.992,80.977) -52.369,80.977 cw(c-51.746,80.977) R575.1@-52.186,81.418 ; R575.1@-52.369,81.6 R574.2@-52.369,79.212 R573.1@-49.341,79.212 C525.1@-49.341,81.6 ; R573.1@-49.523,79.03 ccw(c-49.964,78.59) -49.964,79.212 ccw(c-49.964,79.835) -49.523,79.395 ccw(c-49.964,79.835) -49.341,79.835 ccw(c-48.718,79.835) R573.1@-49.158,79.395 ; C525.1@-49.523,81.418 cw(c-49.964,80.977) -49.341,80.977 cw(c-48.718,80.977) C525.1@-49.158,81.418
NetC526_1: C526.1 R576.1 R577.2 R578.1 | length 13.7
  Bottom Layer w0.5: R577.2@-46.495,79.395 ccw(c-46.936,79.835) -46.313,79.835 ccw(c-45.69,79.835) -46.13,79.395 ccw(c-45.69,79.835) -45.69,79.212 ccw(c-45.69,78.59) R577.2@-46.13,79.03 ; R578.1@-46.495,81.418 cw(c-46.936,80.977) -46.313,80.977 cw(c-45.69,80.977) R578.1@-46.13,81.418 ; R578.1@-46.313,81.6 R577.2@-46.313,79.212 R576.1@-43.285,79.212 C526.1@-43.285,81.6 ; R576.1@-43.467,79.03 ccw(c-43.908,78.59) -43.908,79.212 ccw(c-43.908,79.835) -43.467,79.395 ccw(c-43.908,79.835) -43.285,79.835 ccw(c-42.662,79.835) R576.1@-43.103,79.395 ; C526.1@-43.467,81.418 cw(c-43.908,80.977) -43.285,80.977 cw(c-42.662,80.977) C526.1@-43.103,81.418
NetC527_1: C527.1 R579.1 R580.2 R581.1 | length 13.7
  Bottom Layer w0.5: R580.2@-40.44,79.395 ccw(c-40.88,79.835) -40.257,79.835 ccw(c-39.634,79.835) -40.075,79.395 ccw(c-39.634,79.835) -39.634,79.212 ccw(c-39.634,78.59) R580.2@-40.075,79.03 ; R581.1@-40.44,81.418 cw(c-40.88,80.977) -40.257,80.977 cw(c-39.634,80.977) R581.1@-40.075,81.418 ; R581.1@-40.257,81.6 R580.2@-40.257,79.212 R579.1@-37.229,79.212 C527.1@-37.229,81.6 ; R579.1@-37.412,79.03 ccw(c-37.852,78.59) -37.852,79.212 ccw(c-37.852,79.835) -37.412,79.395 ccw(c-37.852,79.835) -37.229,79.835 ccw(c-36.606,79.835) R579.1@-37.047,79.395 ; C527.1@-37.412,81.418 cw(c-37.852,80.977) -37.229,80.977 cw(c-36.606,80.977) C527.1@-37.047,81.418
NetC528_1: C528.1 R583.2 R584.1 R3582.1 | length 13.7
  Bottom Layer w0.5: R583.2@-34.384,79.395 ccw(c-34.824,79.835) -34.201,79.835 ccw(c-33.579,79.835) -34.019,79.395 ccw(c-33.579,79.835) -33.579,79.212 ccw(c-33.579,78.59) R583.2@-34.019,79.03 ; R584.1@-34.384,81.418 cw(c-34.824,80.977) -34.201,80.977 cw(c-33.579,80.977) R584.1@-34.019,81.418 ; R584.1@-34.201,81.6 R583.2@-34.201,79.212 R3582.1@-31.174,79.212 C528.1@-31.174,81.6 ; R3582.1@-31.356,79.03 ccw(c-31.796,78.59) -31.796,79.212 ccw(c-31.796,79.835) -31.356,79.395 ccw(c-31.796,79.835) -31.174,79.835 ccw(c-30.551,79.835) R3582.1@-30.991,79.395 ; C528.1@-31.356,81.418 cw(c-31.796,80.977) -31.174,80.977 cw(c-30.551,80.977) C528.1@-30.991,81.418
NetC603_1: C603.1 U601.1
  other v2: -0.965,70.536
NetC603_2: C603.2 D601.2 L601.1 U601.8 | length 23.9
  Top Layer w1: D601.2@-4.496,75.832 D601.2@-4.394,75.73
  Top Layer w2: -6.895,75.274 cw(c-5.22,73.599) D601.2@-5.22,75.968 ; D601.2@-5.118,76.454 -5.715,76.454 -7.417,74.752 -7.417,66.446 -5.114,64.144 ; L601.1@-3.903,64.144 -5.114,64.144 ; L601.1@-3.798,64.964 cw(c-5.114,65.61) -5.114,64.144
  Bottom Layer w0.5: v2@-1.702,76.149 -1.702,72.263 C603.2@-1.245,71.806
  other v2: -1.753,76.048 -1.753,76.556
NetD5_2: D5.2 P203.2 U6.7 U6.8 | length 27.2
  Top Layer w1.5: -161.112,4.14 -144.805,4.14 P203.2@-140.169,-0.497
  Bottom Layer w1.5: P203.2@-140.576,-0.136 D5.2@-140.576,4.181
NetD6_2: D6.2 P204.1 U6.5 U6.6 | length 15.5
  Top Layer w2: -163.297,3.505 -163.297,2.642 -160.111,-0.544 P204.1@-155.379,-0.544
  Bottom Layer w1.5: D6.2@-155.621,4.181 -155.621,-0.64 P204.1@-155.223,-1.038
NetD9_2: D9.2 P5.2 U16.7 U16.8 | length 16.9
  Top Layer w2: P5.2@-162.009,52.942 -162.009,50.376 -160.198,48.565 -153.619,48.565 -152.4,49.784 -152.4,51.41 ; -152.912,49.272 ccw(c-154.583,50.942) U16.8@-152.22,50.942